# Altium PCB duo_x.PcbDoc (part 2 of 3) (continued)
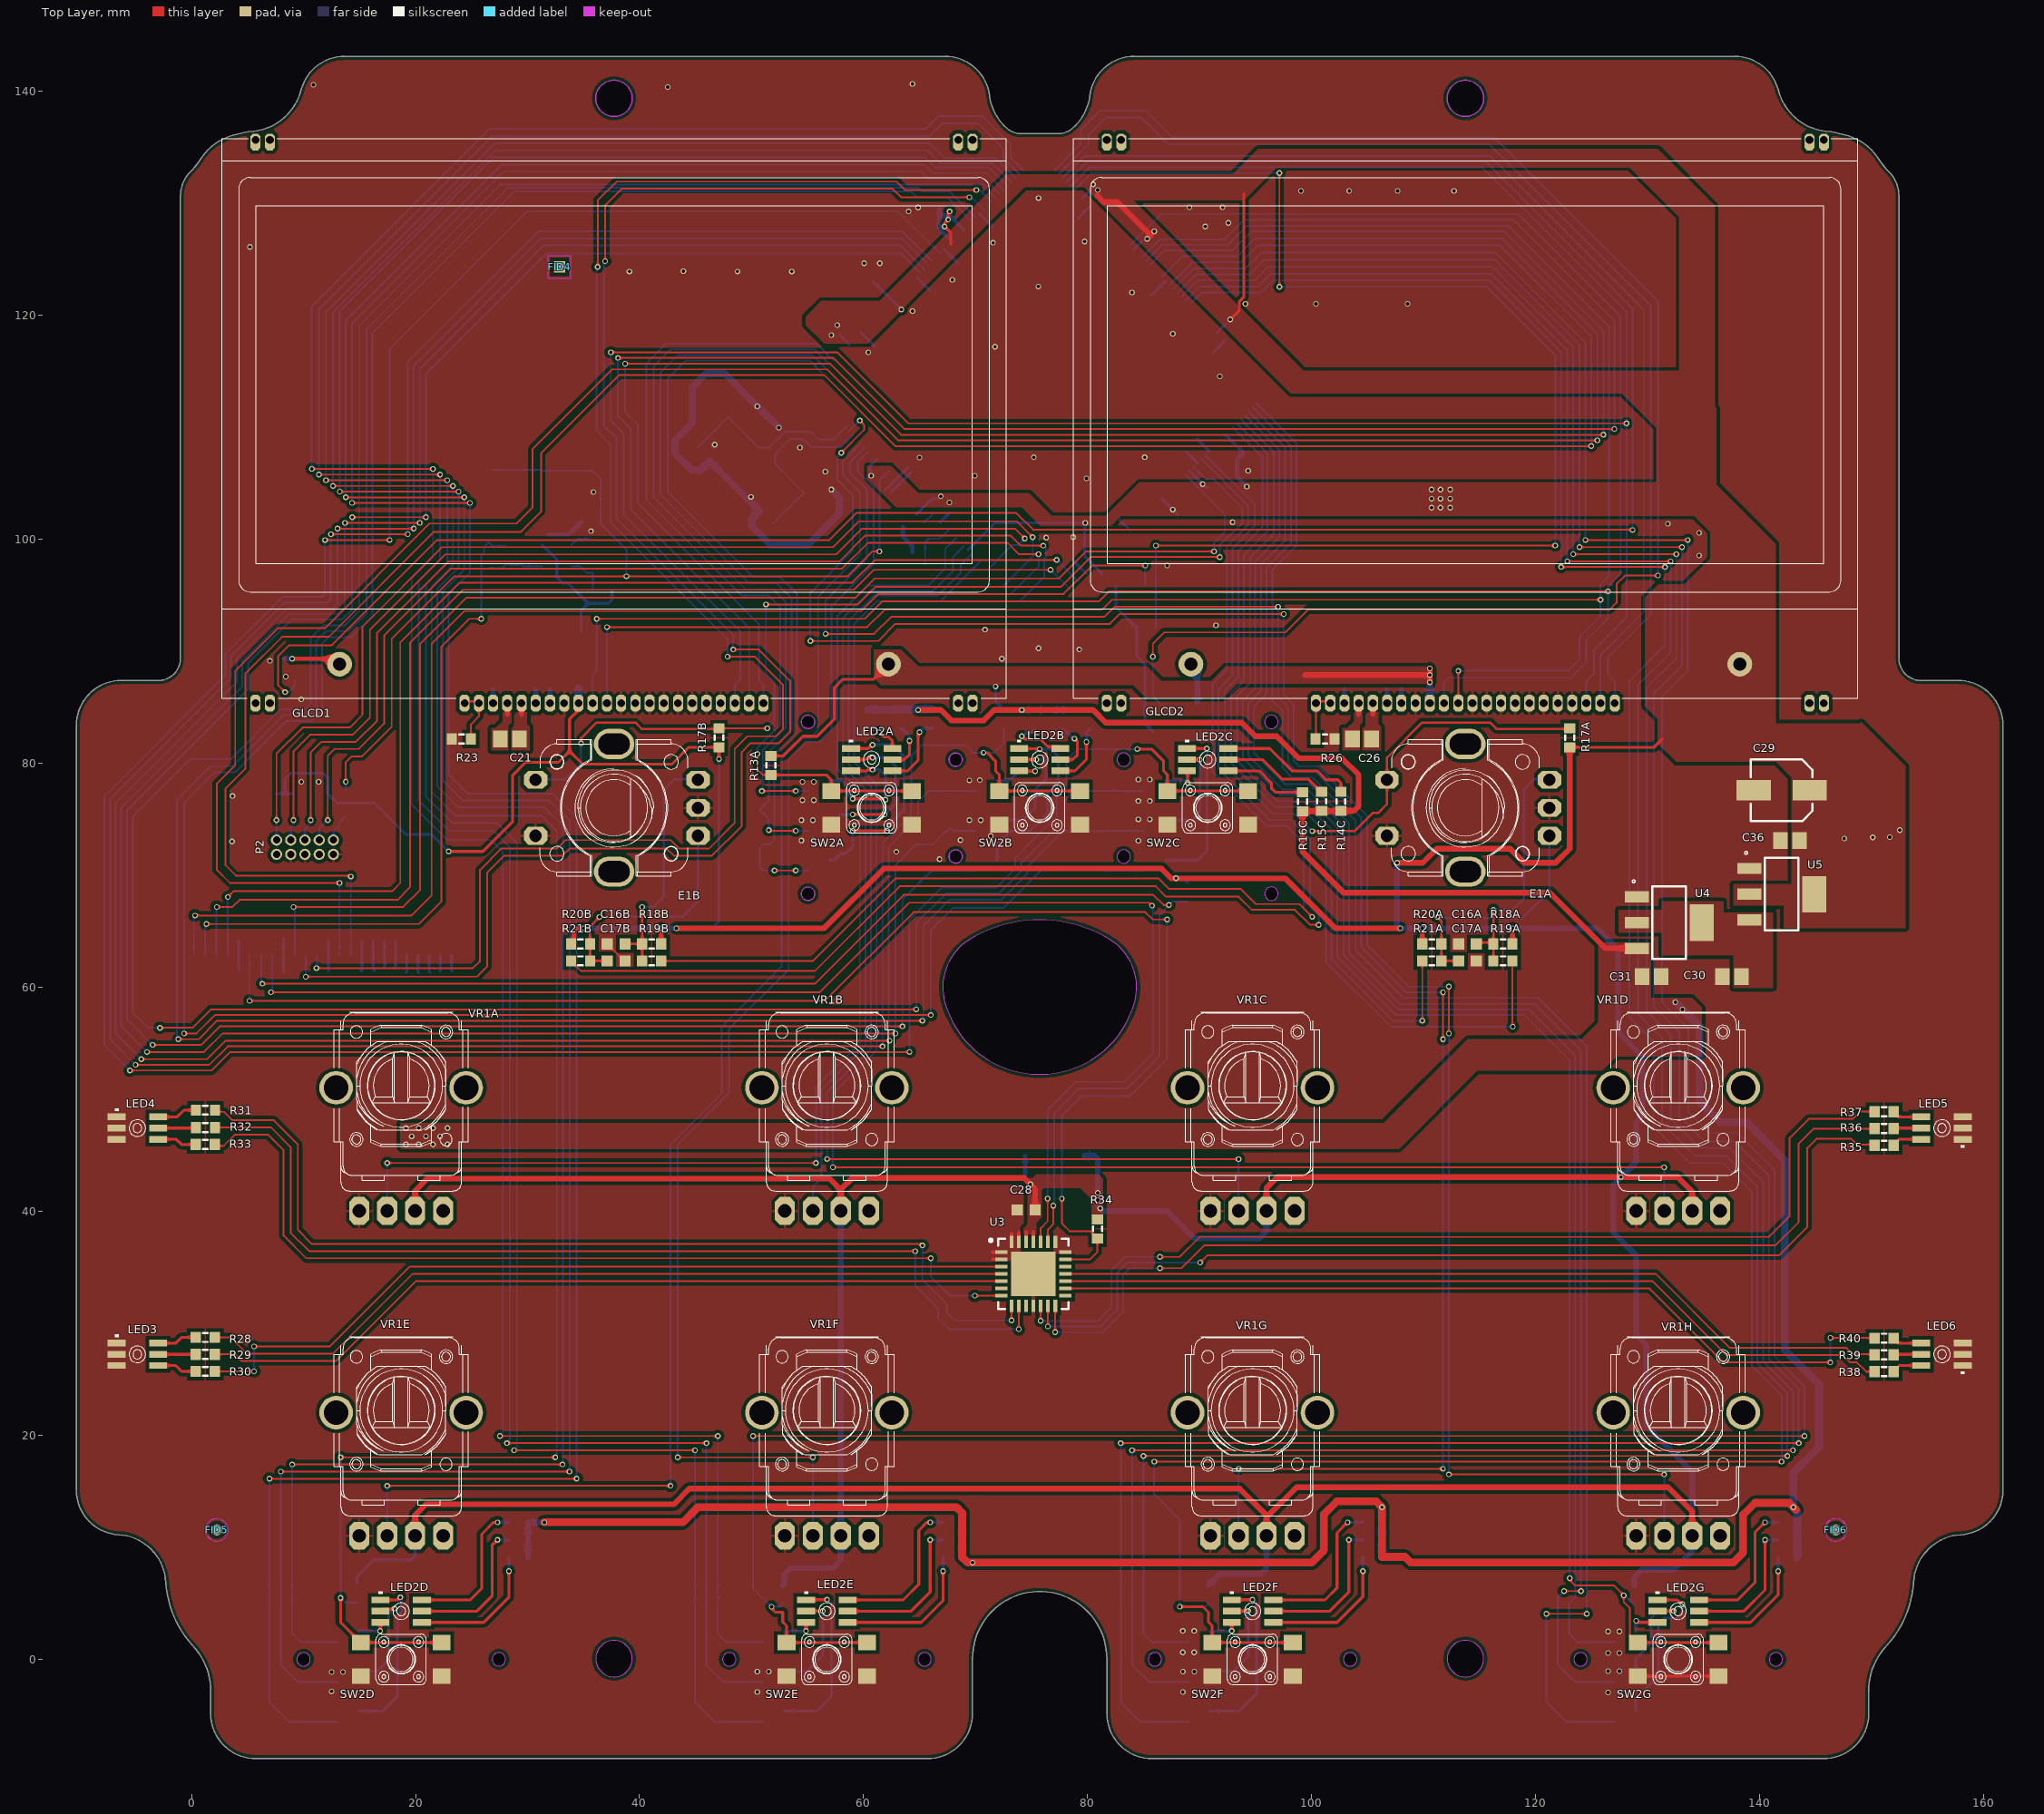
[diagram p0: Top Layer view]
## Nets (pads, with @x,y where several pads share a name; then routed paths per layer and width w, separated by ;. In a path a pad name is that pad's centre, name@x,y a point inside that pad or via, vN(x,y) a via of type N, cw(c..) or ccw(c..) an arc to the next point about the centre after c; other vN are vias at no path point) (continued)
  Bottom Layer w0.152: P1.3@2.216,62.865 2.216,67.146 v1(2.253,67.183) ; v1(76.689,97.282) 76.712,97.282 U1.204@78.47,95.524
JTAG_TCK_SWDCLK: P2.4 R7.2 U1.10 | length 91.7
  Top Layer w0.152: v1(9.111,74.93) 9.111,81.104 10.566,82.56 14.405,82.56 15.922,84.077 15.922,91.934 22.65,98.662 57.555,98.662 59.858,100.965 73.5,100.965 v1(74.389,100.076)
  Bottom Layer w0.152: P2.4@8.857,73.152 8.857,74.334 9.111,74.588 v1(9.111,74.93) R7.2@9.111,75.604 ; U1.10@71.08,97.292 73.284,99.496 73.809,99.496 v1(74.389,100.076)
JTAG_TDI: P2.8 R8.2 U1.4 | length 89.4
  Top Layer w0.152: v1(12.159,74.93) 12.159,80.691 12.757,81.29 14.931,81.29 17.192,83.551 17.192,91.408 23.177,97.392 58.081,97.392 60.384,99.695 72.865,99.695 73.881,98.679 v1(75.62,98.679)
  Bottom Layer w0.152: P2.8@11.397,73.152 11.397,74.207 12.159,74.969 R8.2@12.159,75.604 ; U1.4@73.202,95.171 75.62,97.589 v1(75.62,98.679)
JTAG_TDO_SWO: P2.6 R9.2 U1.2 | length 93.2
  Top Layer w0.152: v1(10.635,74.93) 10.635,80.983 11.577,81.925 14.668,81.925 16.557,83.814 16.557,91.671 22.913,98.027 57.818,98.027 60.121,100.33 73.129,100.33 74.018,99.441 v1(76.04,99.441)
  Bottom Layer w0.152: P2.6@10.127,73.152 10.127,74.168 10.635,74.676 v1(10.635,74.93) R9.2@10.635,75.604 ; U1.2@73.909,94.464 76.128,96.683 76.128,98.275 76.294,98.441 76.294,99.187 v1(76.04,99.441)
JTAG_TMS_SWDIO: P2.2 R6.2 U1.6 | length 95.1
  Top Layer w0.152: v1(7.587,74.93) 7.587,80.877 9.922,83.212 14.135,83.212 15.27,84.347 15.27,92.204 22.38,99.314 57.285,99.314 59.588,101.617 73.674,101.617 v1(75.088,100.203)
  Bottom Layer w0.152: P2.2@7.587,73.152 v1(7.587,74.93) R6.2@7.587,75.604 ; U1.6@72.495,95.878 75.088,98.471 v1(75.088,100.203)
LED_B1: Q4A.1 R46A.1 U1.55 | length 66.1
  Top Layer w0.152: v1(50.916,77.535) 53.941,77.535 v1(53.942,77.536)
  Bottom Layer w0.152: v1(50.916,77.535) 50.992,77.61 50.992,81.178 53.045,83.232 53.045,94.409 51.93,95.524 49.477,95.524 41.242,103.759 41.242,115.443 42.766,116.967 55.613,116.967 U1.55@56.938,115.642 ; v1(53.942,77.536) Q4A.1@55.024,77.536
LED_B2: Q4B.1 R46B.1 U1.80 | length 227.5
  Top Layer w0.152: v1(-4.49,53.594) 1.383,53.594 3.034,55.245 v1(62.324,55.245) ; v1(13.036,100.965) v1(19.844,100.965)
  Bottom Layer w0.152: v1(-4.49,53.594) -6.764,55.868 -6.764,76.454 4.031,87.249 4.031,89.368 8.516,93.853 12.662,93.853 13.024,94.215 v1@13.024,100.965 ; v1(19.844,100.965) 19.844,115.508 31.209,126.873 63.385,126.873 U1.80@65.777,124.48 ; v1(62.324,55.245) 62.216,55.353 62.216,72.559 64.864,75.206 64.864,76.59 65.81,77.536 68.023,77.536 Q4B.1@70.024,77.536
LED_B3: Q4C.1 R46C.1 U1.97 | length 242.3
  Top Layer w0.152: v1(-2.827,56.391) 0.097,56.391 1.745,58.039 v1(64.701,58.039)
  Bottom Layer w0.152: v1(-2.827,56.391) -3.881,56.391 -5.24,57.75 -5.24,75.272 -0.121,80.391 3.523,80.391 7.968,84.836 10.127,84.836 10.635,85.344 10.635,91.186 11.778,92.329 13.683,92.329 14.953,93.599 14.953,119.061 27.591,131.699 70.579,131.699 U1.97@71.788,130.491 ; v1(64.701,58.039) 64.701,65.75 67.338,68.387 72.053,68.387 74.071,70.404 74.071,71.119 75.614,72.663 77.903,74.951 77.903,76.622 78.839,77.558 R46C.1@82.911,77.558 ; R46C.1@82.911,77.536 Q4C.1@85.024,77.536
LED_B4: Q4D.1 R46D.1 U1.100 | length 233.5
  Top Layer w0.152: v1(8.984,17.399) 29.812,17.399 v1(33.114,17.399) ; v1(13.235,104.267) v1(23.843,104.267)
  Bottom Layer w0.152: v1(8.984,17.399) 8.984,2.286 9.734,1.536 Q4D.1@13.024,1.536 ; v1(13.235,104.267) 13.235,120.421 26.925,134.112 65.499,134.112 66.388,133.223 71.177,133.223 U1.100@72.848,131.552 ; v1(23.843,104.267) 23.843,97.478 21.938,95.573 21.938,77.963 23.816,76.085 31.49,76.085 33.158,74.417 33.158,17.443 v1(33.114,17.399)
LED_B5: Q4E.1 R46E.1 U1.104 | length 232.9
  Top Layer w0.152: v1(10.738,106.299) v1(21.557,106.299) ; v1(27.526,19.939) v1(46.984,19.939)
  Bottom Layer w0.152: v1(10.738,106.299) 10.738,120.807 26.582,136.652 65.531,136.652 66.674,137.795 70.627,137.795 73.119,135.303 73.119,134.109 U1.104@74.262,132.966 ; v1(21.557,106.299) 21.557,98.425 19.652,96.52 19.652,76.365 22.865,73.152 26.729,73.152 27.787,72.095 27.787,20.294 27.526,20.033 v1(27.526,19.939) ; v1(46.984,19.939) 46.984,2.286 47.734,1.536 Q4E.1@51.024,1.536
LED_B6: Q4F.1 R46F.1 U1.138 | length 232
  Top Layer w0.152: v1(84.972,18.161) v1(142.461,18.161) ; v1(122.807,98.044) v1(132.047,98.044)
  Bottom Layer w0.152: v1@84.984,18.161 84.984,2.286 85.734,1.536 Q4F.1@89.024,1.536 ; U1.138@88.723,121.298 90.01,122.586 95.179,122.586 96.291,123.698 116.045,123.698 117.157,122.586 122.807,116.936 v1(122.807,98.044) ; v1(132.047,98.044) 132.047,89.916 129.126,86.995 129.126,57.658 131.285,55.499 131.285,47.879 134.206,44.958 137.004,44.958 139.794,42.168 139.794,26.42 142.461,23.753 v1(142.461,18.161)
LED_B7: Q4G.1 R46G.1 U1.159 | length 136.7
  Bottom Layer w0.152: U1.159@94.38,111.434 97.63,108.184 97.63,99.916 95.471,97.757 95.471,86.487 94.353,85.369 94.353,80.699 97.386,77.666 99.629,77.666 102.836,74.46 102.836,62.898 107.7,58.033 119.384,58.033 123.517,53.901 123.517,5.567 122.984,5.034 122.984,2.921 122.984,2.286 123.734,1.536 Q4G.1@127.024,1.536
LED_G1: Q3A.1 R27A.1 U1.54 | length 68
  Top Layer w0.152: v1(51.529,74.041) 51.59,73.98 v1(53.942,73.98)
  Bottom Layer w0.152: v1(51.529,74.041) 51.529,75.057 50.728,75.858 R27A.1@50.728,75.88 51.529,76.681 51.529,80.986 53.561,83.018 53.561,94.758 52.23,96.089 49.801,96.089 41.877,104.013 41.877,107.49 41.877,114.935 43.401,116.459 55.414,116.459 U1.54@56.585,115.288 ; v1(53.942,73.98) Q3A.1@55.024,73.98
LED_G2: Q3B.1 R27B.1 U1.79 | length 221.2
  Top Layer w0.152: v1(-3.982,54.229) 1.12,54.229 2.771,55.88 v1(62.832,55.88) ; v1(13.695,101.473) v1(20.383,101.473)
  Bottom Layer w0.152: v1(-3.982,54.229) -6.284,56.531 -6.284,76.045 4.539,86.868 4.539,89.158 8.739,93.358 13.061,93.358 13.683,93.98 v1@13.683,101.473 ; v1(20.383,101.473) 20.383,115.226 31.406,126.248 63.302,126.248 U1.79@65.424,124.127 ; v1(62.832,55.88) 62.832,70.902 64.701,72.771 66.197,72.771 67.288,73.862 67.338,73.862 67.712,74.236 R27B.1@67.712,74.286 68.018,73.98 Q3B.1@70.024,73.98
LED_G3: Q3C.1 R27C.1 U1.92 | length 234
  Top Layer w0.152: v1(-1.176,55.372) 0.646,55.372 2.297,57.023 v1(65.245,57.023)
  Bottom Layer w0.152: v1(-1.176,55.372) -1.303,55.499 -1.303,76.771 1.682,79.756 3.673,79.756 8.245,84.328 10.508,84.328 11.112,84.932 11.112,90.901 12.032,91.821 14.035,91.821 15.624,93.41 15.624,118.781 28.237,131.394 64.874,131.394 65.204,131.064 67.679,131.064 U1.92@70.02,128.723 ; v1(65.245,57.023) 65.329,57.107 65.329,65.489 67.672,67.832 72.313,67.832 73.696,69.215 73.696,69.233 74.618,70.156 74.618,70.751 77.821,73.953 R27C.1@81.353,73.953 81.38,73.98 Q3C.1@85.024,73.98
LED_G4: Q3D.1 R27D.1 U1.99 | length 237.6
  Top Layer w0.152: v1(7.968,16.764) 30.32,16.764 v1(33.749,16.764) ; v1(13.771,103.759) v1(24.351,103.759)
  Bottom Layer w0.152: v1(7.968,16.764) 7.968,-0.508 9.48,-2.02 Q3D.1@13.024,-2.02 ; v1(13.771,103.759) 13.771,119.551 27.697,133.477 65.364,133.477 66.126,132.715 70.978,132.715 U1.99@72.495,131.198 ; v1(24.351,103.759) 24.351,97.268 22.446,95.363 22.446,78.471 24.225,76.692 31.977,76.692 33.749,74.92 v1(33.749,16.764)
LED_G5: Q3E.1 R27E.1 U1.103 | length 233.7
  Top Layer w0.152: v1(11.366,105.791) v1(22.192,105.791) ; v1(28.161,19.304) v1(45.968,19.304)
  Bottom Layer w0.152: v1(11.366,105.791) 11.366,120.547 26.836,136.017 65.88,136.017 67.023,137.16 70.198,137.16 72.484,134.874 72.484,134.037 U1.103@73.909,132.612 ; v1(22.192,105.791) 22.192,98.162 20.287,96.257 20.287,76.692 23.02,73.959 26.979,73.959 28.415,72.524 28.415,19.652 28.161,19.398 v1(28.161,19.304) ; v1(45.968,19.304) 45.968,-0.508 47.48,-2.02 Q3E.1@51.024,-2.02
LED_G6: Q3F.1 R27F.1 U1.137 | length 238.7
  Top Layer w0.152: v1@83.968,18.669 v1(142.969,18.669) ; v1(123.346,98.679) v1(132.555,98.679)
  Bottom Layer w0.152: v1@83.968,18.665 83.968,-0.508 85.48,-2.02 Q3F.1@89.024,-2.02 ; U1.137@88.369,121.652 89.842,123.125 94.898,123.125 96.106,124.333 116.172,124.333 117.38,123.125 123.346,117.159 v1(123.346,98.679) ; v1(132.555,98.679) 132.555,89.408 129.888,86.741 129.888,57.912 132.047,55.753 132.047,48.26 134.641,45.666 137.308,45.666 140.302,42.672 140.302,26.63 142.969,23.963 v1(142.969,18.669)
  other v1: 83.956,18.665
LED_G7: Q3G.1 R27G.1 U1.158 | length 142.9
  Top Layer w0.152: v1(122.522,6.096) v1(124.046,6.096)
  Bottom Layer w0.152: U1.158@94.733,111.788 98.138,108.383 98.138,99.667 95.966,97.495 95.966,86.203 94.854,85.09 94.854,80.907 97.593,78.167 99.836,78.167 103.331,74.672 103.331,63.11 107.908,58.534 119.868,58.534 124.018,54.384 124.018,6.124 v1(124.046,6.096) ; v1(122.522,6.096) 121.968,5.542 121.968,-0.508 123.48,-2.02 Q3G.1@127.024,-2.02
LED_R1: Q2A.1 R24A.1 U1.53 | length 70.8
  Top Layer w0.152: v1(52.037,70.435) v1(53.941,70.435)
  Bottom Layer w0.152: v1(52.037,70.435) 51.042,70.435 50.728,70.749 R24A.1@50.728,71.48 50.728,72.478 51.021,72.771 51.656,72.771 52.037,73.152 52.037,80.787 54.061,82.811 54.061,95.124 52.538,96.647 50.132,96.647 42.512,104.267 42.512,107.823 42.512,114.372 44.091,115.951 55.215,115.951 U1.53@56.231,114.935 ; v1(53.941,70.435) Q2A.1@55.024,70.424
LED_R2: Q2B.1 R24B.1 U1.78 | length 214.3
  Top Layer w0.152: v1(-3.474,54.864) 0.857,54.864 2.508,56.515 v1(63.467,56.515) ; v1(14.341,101.981) v1(20.922,101.981)
  Bottom Layer w0.152: v1(-3.474,54.864) -5.748,57.138 -5.748,75.819 5.047,86.614 5.047,88.947 8.937,92.837 13.429,92.837 14.33,93.738 v1@14.33,101.981 ; v1(20.922,101.981) 20.922,114.77 31.693,125.541 63.302,125.541 U1.78@65.07,123.773 ; v1(63.467,56.515) 63.467,67.857 65.075,69.465 65.075,69.515 65.449,69.889 R24B.1@65.499,69.889 65.549,69.889 66.084,70.424 Q2B.1@70.024,70.424
LED_R3: Q2C.1 R24C.1 U1.91 | length 229.3
  Top Layer w0.152: v1(-0.668,55.88) 0.436,55.88 2.087,57.531 v1(66.003,57.531)
  Bottom Layer w0.152: v1(-0.668,55.88) -0.668,76.454 2.095,79.217 3.897,79.217 8.469,83.789 10.731,83.789 11.651,84.709 11.651,90.678 12.255,91.282 14.258,91.282 16.162,93.186 16.162,118.431 28.795,131.064 64.236,131.064 64.744,130.556 67.48,130.556 U1.91@69.666,128.37 ; v1(66.003,57.531) 66.003,65.119 67.969,67.084 72.472,67.084 76.019,70.631 R24C.1@81.38,70.631 81.587,70.424 Q2C.1@85.024,70.424
LED_R4: Q2D.1 R24D.1 U1.98 | length 242.1
  Top Layer w0.152: v1(6.952,16.129) 30.828,16.129 v1(34.384,16.129) ; v1(14.33,103.251) v1(24.859,103.251)
  Bottom Layer w0.152: v1(6.952,16.129) 6.952,-3.83 8.698,-5.576 Q2D.1@13.024,-5.576 ; v1(14.33,103.251) 14.33,119.319 27.852,132.842 65.118,132.842 65.701,132.259 70.727,132.259 U1.98@72.141,130.844 ; v1(24.859,103.251) 24.859,97.057 22.954,95.152 22.954,78.987 24.637,77.304 32.219,77.304 34.384,75.139 v1(34.384,16.129)
LED_R5: Q2E.1 R24E.1 U1.102 | length 233.6
  Top Layer w0.152: v1(11.995,105.283) v1(22.827,105.283) ; v1(28.796,18.669) v1@44.952,18.669
  Bottom Layer w0.152: v1(11.995,105.283) 11.995,120.287 27.09,135.382 65.88,135.382 67.225,134.037 71.777,134.037 U1.102@73.555,132.259 ; v1(22.827,105.283) 22.827,97.899 20.922,95.994 20.922,77.044 23.29,74.676 27.283,74.676 29.05,72.909 29.05,18.932 28.796,18.678 v1(28.796,18.669) ; v1(44.952,18.665) 44.952,-3.83 46.698,-5.576 Q2E.1@51.024,-5.576
LED_R6: Q2F.1 R24F.1 U1.136 | length 245.9
  Top Layer w0.152: v1(82.94,19.304) v1(143.477,19.304) ; v1(123.903,99.314) v1(133.063,99.314)
  Bottom Layer w0.152: v1@82.952,19.304 82.952,-3.83 84.698,-5.576 Q2F.1@89.024,-5.576 ; U1.136@88.016,122.006 89.692,123.682 94.497,123.682 95.783,124.968 116.326,124.968 117.611,123.682 123.903,117.39 v1(123.903,99.314) ; v1(133.063,99.314) 133.063,88.773 130.523,86.233 130.523,58.293 132.809,56.007 132.809,48.514 135.073,46.25 137.74,46.25 140.81,43.18 140.81,26.841 143.477,24.174 v1(143.477,19.304)
LED_R7: Q2G.1 R24G.1 U1.157 | length 148.5
  Top Layer w0.152: v1(120.952,4.064) v1(124.554,4.064)
  Bottom Layer w0.152: U1.157@95.087,112.141 98.646,108.582 98.646,99.441 96.479,97.274 96.479,85.606 97.386,84.699 97.386,79.619 98.265,78.74 100.057,78.74 103.923,74.874 103.923,63.303 108.171,59.055 120.236,59.055 124.554,54.737 v1(124.554,4.064) ; v1(120.952,4.064) 120.952,-3.83 122.698,-5.576 Q2G.1@127.024,-5.576
NetC1_1: C1.1 L1.1 U1.20 U1.24 | length 5.6
  Bottom Layer w0.152: 65.372,101.483 U1.24@66.131,102.242 ; L1.1@65.496,97.732 65.496,99.662 C1.1@65.456,99.702 65.83,100.076 66.793,100.076 U1.20@67.545,100.828
NetC2_1: C2.1 U1.44 Y1.2 | length 16.6
  Bottom Layer w0.152: C2.1@51.901,101.415 Y1.2@54.665,104.179 52.118,106.726 52.118,107.65 53.421,108.953 54.639,108.953 55.34,108.252 57.999,108.252 U1.44@59.06,109.313
NetC3_2: C3.2 U1.46 Y1.1 | length 16.8
  Bottom Layer w0.152: C3.2@45.121,108.135 Y1.1@47.885,110.898 ; Y1.1@47.885,110.959 50.64,108.204 51.568,108.204 52.965,109.601 55.259,109.601 55.933,108.927 57.259,108.927 U1.46@58.353,110.02
NetC5_2: C5.2 D1.2 R5.2 U2.4 | length 5
  Bottom Layer w0.152: D1.2@26.521,97.434 27.745,97.434 R5.2@28.045,97.734 C5.2@29.519,97.734 ; C5.2@29.569,97.784 C5.2@29.519,97.734 ; U2.4@31.317,97.596 29.658,97.596 C5.2@29.519,97.734
NetC16A_2: C16A.2 E1A.B R18A.1 R19A.2 | length 21.7
  Top Layer w0.203: C16A.2@114.7,64.008 R18A.1@116.216,64.008 ; v1@116.216,66.922 R18A.1@116.216,64.008 ; R19A.2@116.225,62.364 116.225,63.379 R18A.1@116.225,63.888 116.225,64.008 R18A.1@116.216,64.008
  Bottom Layer w0.203: v1@116.172,66.883 116.212,66.922 v1(116.214,66.922) 117.924,66.922 118.953,67.952 118.953,77.666 119.872,78.585 E1A.B@121.216,78.585
NetC16B_2: C16B.2 E1B.B R18B.1 R19B.2 | length 21.6
  Top Layer w0.203: C16B.2@38.7,63.888 R18B.1@40.225,63.888 ; R19B.2@40.225,62.364 R18B.1@40.225,63.888 ; v1(40.225,67.183) R18B.1@40.225,63.888
  Bottom Layer w0.203: v1(40.225,67.183) 41.242,67.183 42.161,68.102 42.161,77.627 43.119,78.585 E1B.B@45.216,78.585
NetC17A_2: C17A.2 E1A.A R20A.1 R21A.2 | length 21.4
  Top Layer w0.203: v1@111.216,66.297 111.575,65.938 R20A.1@111.575,63.888 111.575,63.379 R21A.2@111.575,62.364 C17A.2@112.87,62.364
  Bottom Layer w0.203: v1(111.209,66.297) 111.339,66.167 118.776,66.167 121.216,68.608 E1A.A@121.216,73.585
NetC17B_2: C17B.2 E1B.A R20B.1 R21B.2 | length 21.1
  Top Layer w0.203: v1(36.416,66.294) 35.575,65.453 R20B.1@35.575,63.888 R21B.2@35.575,62.364 C17B.2@37.1,62.364
  Bottom Layer w0.203: v1(36.416,66.294) 43.812,66.294 45.216,67.698 E1B.A@45.216,73.585
NetC20_1: C20.1 GLCD1.20 R22.1 | length 1.1
  Bottom Layer w0.381: GLCD1.20@26.921,85.535 26.921,86.624
NetC21_1: C21.1 GLCD1.18 | length 1.2
  Top Layer w0.381: 29.461,84.323 GLCD1.18@29.461,85.535
NetC21_2: C21.2 GLCD1.19 | length 1.2
  Top Layer w0.381: 28.191,84.353 GLCD1.19@28.191,85.535
NetC22_1: C22.1 GLCD1.16 | length 1.1
  Bottom Layer w0.381: GLCD1.16@32.001,85.535 32.001,86.654
NetC22_2: C22.2 GLCD1.17 | length 1.1
  Bottom Layer w0.381: GLCD1.17@30.731,85.535 30.731,86.639
NetC25_1: C25.1 GLCD2.20 R25.1 | length 1.1
  Bottom Layer w0.381: GLCD2.20@102.921,85.535 102.921,86.624
NetC26_1: C26.1 GLCD2.18 | length 1.2
  Top Layer w0.381: 105.461,84.323 GLCD2.18@105.461,85.535
NetC26_2: C26.2 GLCD2.19 | length 1.2
  Top Layer w0.381: 104.191,84.353 GLCD2.19@104.191,85.535
NetC27_1: C27.1 GLCD2.16 | length 1.1
  Bottom Layer w0.381: GLCD2.16@108.001,85.535 108.001,86.654
NetC27_2: C27.2 GLCD2.17 | length 1.1
  Bottom Layer w0.381: GLCD2.17@106.731,85.535 106.731,86.639
NetC30_2: C30.2 U4.2 U5.3
NetD2_1: D2.1 U2.1 | length 1.9
  Bottom Layer w0.152: U2.1@33.917,99.496 34.492,100.07 D2.1@35.531,100.07
NetD3_1: D3.1 P2.10 | length 2.6
  Bottom Layer w0.152: P2.10@12.667,73.152 12.667,73.914 13.175,74.422 13.175,74.708 D3.1@13.771,75.304
NetGLCD1_1: GLCD1.1 U1.129 | length 180.1
  Top Layer w0.152: v1(38.702,115.697) 38.705,115.694 41.623,115.694 56.993,115.694 63.34,109.347 v1(126.04,109.347)
  Bottom Layer w0.152: v1(38.702,115.697) 38.702,111.379 39.845,110.236 39.845,103.248 50.64,92.453 50.64,87.42 51.051,87.008 GLCD1.1@51.051,85.36 ; U1.129@85.541,124.48 86.879,125.819 92.937,125.819 94.627,127.508 117.188,127.508 126.04,118.656 v1(126.04,109.347)
NetGLCD1_2: GLCD1.2 U1.127 | length 184.3
  Top Layer w0.152: v1(38.067,116.205) 38.07,116.202 40.764,116.202 57.31,116.202 63.657,109.855 v1(127.028,109.855)
  Bottom Layer w0.152: v1(38.067,116.205) 38.067,111.036 39.21,109.893 39.21,102.681 49.781,92.11 GLCD1.2@49.781,85.36 ; U1.127@84.834,125.188 86.453,126.807 92.209,126.807 93.927,128.524 118.036,128.524 127.028,119.532 v1(127.028,109.855)
NetGLCD1_21: GLCD1.21 GLCD1.22 R23.2 | length 4.9
  Top Layer w0.152: GLCD1.22@24.381,85.535 GLCD1.21@25.651,85.535 ; R23.2@24.947,82.169 24.947,83.483 25.651,84.187 GLCD1.21@25.651,85.51
NetGLCD1_23: GLCD1.23 Q5.3 | length 5.2
  Top Layer w0.381: v1(8.987,89.342) 12.709,89.342 GLCD1.23@13.216,88.835
  Bottom Layer w0.381: Q5.3@8.245,89.342 v1(8.987,89.342)
NetGLCD2_1: GLCD2.1 U1.106 | length 99.6
  Bottom Layer w0.152: U1.106@77.409,132.612 80.104,135.307 80.104,136.144 81.628,137.668 84.803,137.668 87.164,135.307 115.823,135.307 130.248,120.882 130.248,93.284 126.459,89.495 126.459,87.947 127.051,87.355 GLCD2.1@127.051,85.51
NetGLCD2_2: GLCD2.2 U1.107 | length 95
  Bottom Layer w0.152: U1.107@77.763,132.259 79.743,134.239 115.918,134.239 129.632,120.525 129.632,93.539 125.781,89.689 GLCD2.2@125.781,85.51
NetGLCD2_21: GLCD2.21 GLCD2.22 R26.2 | length 4.6
  Top Layer w0.152: R26.2@100.336,82.169 100.381,82.214 GLCD2.22@100.381,85.51 ; GLCD2.22@100.381,85.535 GLCD2.21@101.651,85.535
NetGLCD2_23: GLCD2.23 Q6.3 | length 3.6
  Bottom Layer w0.508: GLCD2.23@89.216,88.835 89.79,88.261 Q6.3@89.79,85.507
NetLED2A_1: LED2A.1 Q2A.3 | length 19.6
  Top Layer w0.254: LED2A.1@58.866,81.335 60.407,81.335 60.733,81.661 v1(60.8,81.661) ; v1(59.022,73.98) v1(62.088,73.98)
  Bottom Layer w0.254: Q2A.3@56.924,71.374 57.374,71.374 57.94,71.94 58.387,71.94 59.022,72.575 v1(59.022,73.98) ; v1(60.8,81.661) 62.578,81.661 63.594,80.645 63.594,75.819 62.088,74.313 v1(62.088,73.98)
NetLED2A_2: LED2A.2 Q3A.3 | length 14.3
  Top Layer w0.254: LED2A.2@58.866,80.335 60.142,80.335 60.285,80.478 60.76,80.478 v1(60.8,80.518) ; v1(59.022,75.438) v1(61.872,75.438)
  Bottom Layer w0.254: Q3A.3@56.924,74.93 57.374,74.93 57.882,75.438 v1(59.022,75.438) ; v1(60.8,80.518) 62.088,80.518 62.105,80.535 62.832,79.807 62.832,76.398 v1(61.872,75.438)
NetLED2A_3: LED2A.3 Q4A.3 | length 11.6
  Top Layer w0.254: LED2A.3@58.866,79.335 60.285,79.335 60.384,79.435 v1(60.8,79.435) ; v1(59.022,76.835) 61.872,76.835 v1(61.947,76.76)
  Bottom Layer w0.254: Q4A.3@56.924,78.486 58.015,78.486 58.387,78.114 58.387,77.47 v1(59.022,76.835) ; v1(60.8,79.435) 61.41,79.435 61.943,78.902 v1@61.943,76.76
NetLED2A_4: LED2A.4 R16A.1 | length 6.5
  Top Layer w0.254: LED2A.4@62.566,79.335 63.933,79.335 64.864,80.266 64.864,82.668 v1(64.991,82.795)
  Bottom Layer w0.254: v1(64.991,82.795) 65.349,83.153 R16A.1@66.122,83.153
NetLED2A_5: LED2A.5 R15A.1 | length 4.4
  Top Layer w0.254: LED2A.5@62.566,80.335 63.635,80.335 64.102,80.802 v1(64.102,82.013)
  Bottom Layer w0.254: R15A.1@63.34,83.114 63.39,83.114 64.055,82.449 64.055,82.061 v1(64.102,82.013)
NetLED2A_6: LED2A.6 R14A.1 | length 3.3
  Top Layer w0.254: v1(61.41,82.795) 61.41,82.769 61.816,82.363 62.216,82.363 62.566,82.013 LED2A.6@62.566,81.335
  Bottom Layer w0.254: R14A.1@60.384,83.088 61.117,83.088 v1(61.41,82.795)
NetLED2B_1: LED2B.1 Q2B.3 | length 16.3
  Top Layer w0.254: LED2B.1@73.866,81.335 73.894,81.308 75.689,81.308 v1(75.716,81.28)
  Bottom Layer w0.254: Q2B.3@71.924,71.374 71.924,72.809 73.095,73.98 74.867,73.98 75.309,74.422 76.421,75.534 76.421,77.321 77.362,78.263 77.362,80.63 76.712,81.28 v1(75.716,81.28)
NetLED2B_2: LED2B.2 Q3B.3 | length 10.8
  Top Layer w0.254: LED2B.2@73.866,80.335 73.869,80.337 75.417,80.337 v1(75.419,80.339)
  Bottom Layer w0.254: Q3B.3@71.924,74.93 74.199,74.93 75.309,76.04 75.309,77.666 76.294,78.651 76.294,79.985 75.94,80.339 v1(75.419,80.339)
NetLED2B_3: LED2B.3 Q4B.3 | length 5.2
  Top Layer w0.254: LED2B.3@73.866,79.335 73.882,79.319 75.293,79.319 v1(75.309,79.303)
  Bottom Layer w0.254: Q4B.3@71.924,78.486 73.047,78.486 73.864,79.303 v1(75.309,79.303)
NetLED2B_4: LED2B.4 R16B.1 | length 5.7
  Top Layer w0.254: LED2B.4@77.566,79.335 78.875,79.335 79.885,80.345 v1(79.885,81.91)
  Bottom Layer w0.254: v1(79.885,81.91) 79.892,81.917 79.892,82.765 80.215,83.088 R16B.1@80.265,83.088
NetLED2B_5: LED2B.5 R15B.1 | length 4.7
  Top Layer w0.254: LED2B.5@77.566,80.335 78.666,80.335 79.088,80.757 79.088,81.936 v1(78.809,82.214)
  Bottom Layer w0.254: R15B.1@77.781,83.088 77.831,83.088 78.658,82.261 78.762,82.261 v1(78.809,82.214)
NetLED2B_6: LED2B.6 R14B.1 | length 5.3
  Top Layer w0.254: v1(74.12,82.429) 74.38,82.169 75.758,82.169 76.419,81.508 77.393,81.508 LED2B.6@77.566,81.335
  Bottom Layer w0.254: v1(74.12,82.429) 74.187,82.429 74.484,82.726 74.958,82.726 R14B.1@75.281,83.049
NetLED2C_1: LED2C.1 Q2C.3 | length 15
  Top Layer w0.254: LED2C.1@88.866,81.335 v1(90.645,81.335)
  Bottom Layer w0.254: Q2C.3@86.924,71.374 89.82,71.374 90.645,72.199 v1(90.645,81.335)
NetLED2C_2: LED2C.2 Q3C.3 | length 9.2
  Top Layer w0.254: LED2C.2@88.866,80.335 90.008,80.335 v1(90.01,80.333)
  Bottom Layer w0.254: Q3C.3@86.924,74.93 89.284,74.93 90.01,75.656 v1(90.01,80.333)
NetLED2C_3: LED2C.3 Q4C.3 | length 3.2
  Top Layer w0.254: LED2C.3@88.866,79.335 88.927,79.274 v1(88.927,78.263)
  Bottom Layer w0.254: Q4C.3@86.924,78.486 88.704,78.486 v1(88.927,78.263)
NetLED2C_4: LED2C.4 R16C.1 | length 7.7
  Top Layer w0.254: LED2C.4@92.566,79.335 95.325,79.335 96.397,78.263 96.397,77.764 96.73,77.431 R16C.1@99.171,77.431
NetLED2C_5: LED2C.5 R15C.1 | length 9.5
  Top Layer w0.254: LED2C.5@92.566,80.335 95.627,80.335 97.377,78.585 99.71,78.585 100.831,77.464 R15C.1@100.881,77.464
NetLED2C_6: LED2C.6 R14C.1 | length 12.1
  Top Layer w0.254: LED2C.6@92.566,81.335 96.252,81.335 98.252,79.335 100.501,79.335 101.301,78.535 102.33,78.535 102.602,78.263 R14C.1@102.602,77.454
NetLED2D_1: LED2D.1 Q2D.3 | length 14.8
  Top Layer w0.254: LED2D.1@16.866,5.3 18.335,5.3 18.569,5.535 v1(18.636,5.535)
  Bottom Layer w0.254: Q2D.3@14.924,-4.626 17.058,-4.626 18.382,-3.302 18.382,3.683 18.636,3.937 v1(18.636,5.535)
NetLED2D_2: LED2D.2 Q3D.3 | length 9.2
  Top Layer w0.254: LED2D.2@16.866,4.3 17.039,4.473 17.978,4.473 18.04,4.535 v1(18.107,4.535)
  Bottom Layer w0.254: Q3D.3@14.924,-1.07 16.572,-1.07 17.62,-0.022 17.62,4.027 18.107,4.513 v1(18.107,4.535)
NetLED2D_3: LED2D.3 Q4D.3 | length 2.7
  Top Layer w0.254: v1(16.841,2.533) 16.866,2.558 LED2D.3@16.866,3.3
  Bottom Layer w0.254: Q4D.3@14.924,2.486 14.971,2.533 v1(16.841,2.533)
NetLED2D_4: LED2D.4 R16D.1 | length 12.3
  Top Layer w0.254: LED2D.4@20.566,3.3 26.093,3.3 28.33,5.537 v1(28.33,7.874)
  Bottom Layer w0.254: v1(28.33,7.874) R16D.1@28.33,9.137
NetLED2D_5: LED2D.5 R15D.1 | length 13.1
  Top Layer w0.254: LED2D.5@20.566,4.3 25.496,4.3 26.833,5.637 26.833,10.181 v1(27.313,10.662)
  Bottom Layer w0.254: v1(27.313,10.662) R15D.1@28.33,10.662
NetLED2D_6: LED2D.6 R14D.1 | length 13.5
  Top Layer w0.254: LED2D.6@20.566,5.3 24.886,5.3 25.908,6.322 25.908,11.176 26.966,12.234 v1(27.313,12.234)
  Bottom Layer w0.254: v1(27.313,12.234) R14D.1@28.33,12.234
NetLED2E_1: LED2E.1 Q2E.3 | length 15.4
  Top Layer w0.254: LED2E.1@54.866,5.3 54.883,5.317 56.719,5.317 v1(56.736,5.334)
  Bottom Layer w0.254: Q2E.3@52.924,-4.626 55.825,-4.626 57.117,-3.334 57.117,4.953 v1(56.736,5.334)
NetLED2E_2: LED2E.2 Q3E.3 | length 9.5
  Top Layer w0.254: LED2E.2@54.866,4.3 54.875,4.309 56.346,4.309 v1(56.355,4.318)
  Bottom Layer w0.254: Q3E.3@52.924,-1.07 54.905,-1.07 56.355,0.38 v1(56.355,4.318)
NetLED2E_3: LED2E.3 Q4E.3 | length 2.7
  Top Layer w0.254: v1(54.866,2.54) LED2E.3@54.866,3.3
  Bottom Layer w0.254: Q4E.3@52.924,2.486 52.951,2.513 54.839,2.513 v1(54.866,2.54)
NetLED2E_4: LED2E.4 R16E.1 | length 13.2
  Top Layer w0.254: LED2E.4@58.566,3.3 65.149,3.3 67.095,5.246 v1(67.095,7.874)
  Bottom Layer w0.254: v1(67.095,7.874) R16E.1@67.095,9.144
NetLED2E_5: LED2E.5 R15E.1 | length 13.9
  Top Layer w0.254: LED2E.5@58.566,4.3 64.236,4.3 65.941,6.006 v1(65.941,10.662)
  Bottom Layer w0.254: v1(65.941,10.662) R15E.1@67.095,10.662
NetLED2E_6: LED2E.6 R14E.1 | length 14.2
  Top Layer w0.254: LED2E.6@58.566,5.3 63.53,5.3 64.924,6.694 64.924,11.496 65.662,12.234 v1(65.941,12.234)
  Bottom Layer w0.254: v1(65.941,12.234) R14E.1@67.095,12.234
NetLED2F_1: LED2F.1 Q2F.3 | length 15.2
  Top Layer w0.254: LED2F.1@92.866,5.3 92.883,5.317 94.692,5.317 v1(94.709,5.334)
  Bottom Layer w0.254: Q2F.3@90.924,-4.626 93.512,-4.626 95.09,-3.048 95.09,4.953 v1(94.709,5.334)
NetLED2F_2: LED2F.2 Q3F.3 | length 9.5
  Top Layer w0.254: LED2F.2@92.866,4.3 92.875,4.309 94.319,4.309 v1(94.328,4.318)
  Bottom Layer w0.254: Q3F.3@90.924,-1.07 93.006,-1.07 94.328,0.252 v1(94.328,4.318)
NetLED2F_3: LED2F.3 Q4F.3 | length 2.7
  Top Layer w0.254: v1(92.866,2.54) LED2F.3@92.866,3.3
  Bottom Layer w0.254: Q4F.3@90.924,2.486 90.951,2.513 92.839,2.513 v1(92.866,2.54)
NetLED2F_4: LED2F.4 R16F.1 | length 12.5
  Top Layer w0.254: LED2F.4@96.566,3.3 102.263,3.3 104.573,5.609 v1(104.573,7.874)
  Bottom Layer w0.254: v1(104.573,7.874) R16F.1@104.573,9.144
NetLED2F_5: LED2F.5 R15F.1 | length 13.4
  Top Layer w0.254: LED2F.5@96.566,4.3 101.599,4.3 103.313,6.014 v1(103.313,10.668)
  Bottom Layer w0.254: v1(103.313,10.668) 104.567,10.668 R15F.1@104.573,10.662
NetLED2F_6: LED2F.6 R14F.1 | length 13.8
  Top Layer w0.254: LED2F.6@96.566,5.3 101.185,5.3 102.263,6.378 102.263,11.294 v1(103.203,12.234)
  Bottom Layer w0.254: v1(103.203,12.234) R14F.1@104.573,12.234
NetLED2G_1: LED2G.1 Q2G.3 | length 14.3
  Top Layer w0.254: LED2G.1@130.866,5.3 132.653,5.3 133.029,4.923 v1(133.096,4.923)
  Bottom Layer w0.254: Q2G.3@128.924,-4.626 128.924,-3.511 130.937,-1.498 130.937,3.182 131.438,3.683 132.588,3.683 133.096,4.191 v1(133.096,4.923)
NetLED2G_2: LED2G.2 Q3G.3 | length 9
  Top Layer w0.254: LED2G.2@130.866,4.3 130.875,4.309 132.292,4.309 v1(132.301,4.318)
  Bottom Layer w0.254: Q3G.3@128.924,-1.07 128.924,0.05 130.302,1.428 130.302,3.683 130.937,4.318 v1(132.301,4.318)
NetLED2G_3: LED2G.3 Q4G.3 | length 2.9
  Top Layer w0.254: v1(128.966,3.436) 129.033,3.436 129.169,3.3 LED2G.3@130.866,3.3
  Bottom Layer w0.254: Q4G.3@128.924,2.486 128.924,3.394 v1(128.966,3.436)
NetLED2G_4: LED2G.4 R16G.1 | length 11.5
  Top Layer w0.254: LED2G.4@134.566,3.3 139.171,3.3 141.644,5.773 v1(141.644,7.874)
  Bottom Layer w0.254: v1(141.644,7.874) R16G.1@141.644,9.144